# EAGLE board RedBoard-GiantPanel-v21 (EAGLE 6.5.0), part 2 of 4
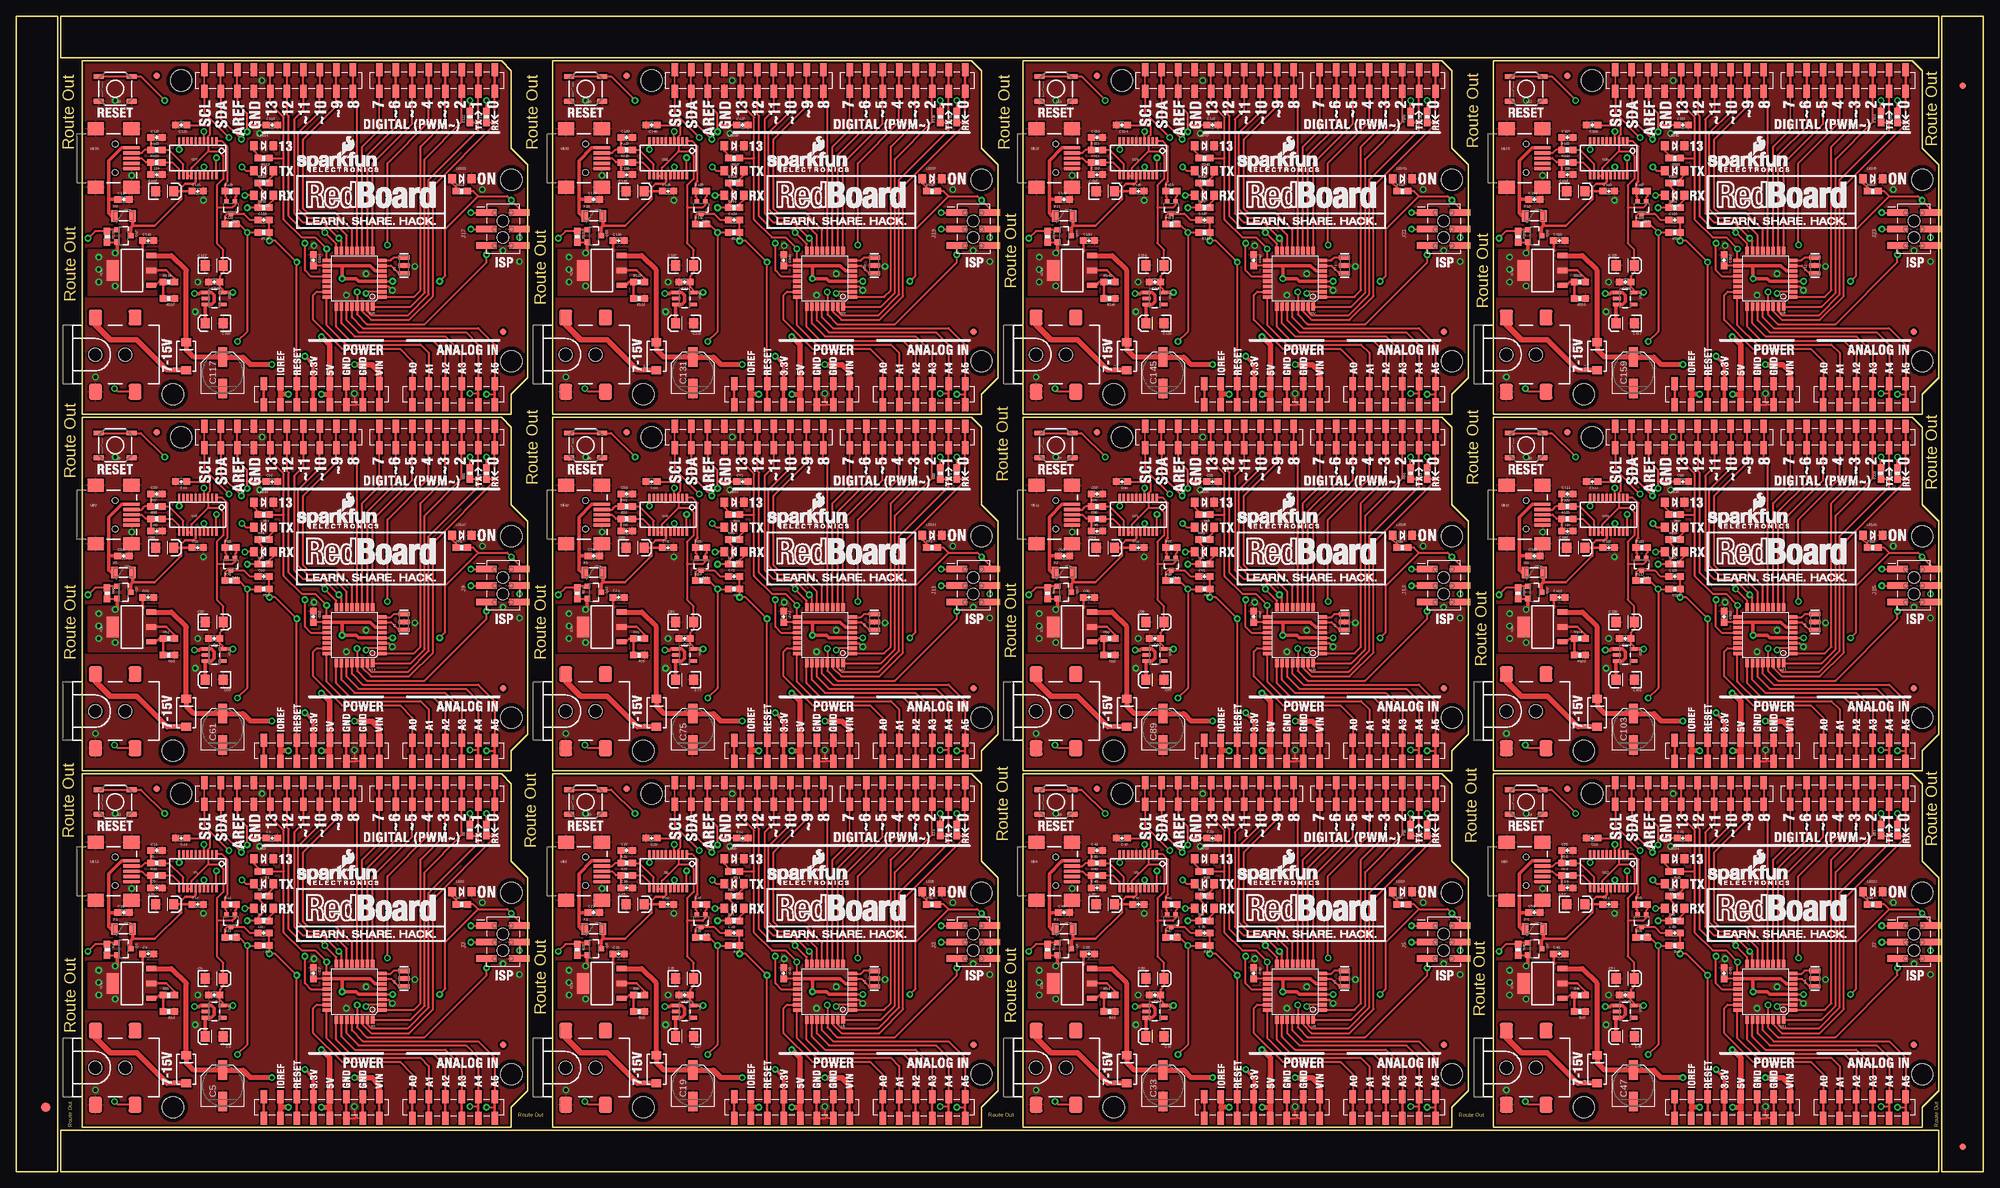
[diagram p0: board, top side]
## Nets
3.3V: C6.A C7.1 C14.1 JP10.5 Q2.1 R11.2 U1.3 U1.13 U1.14 U2.5
3.3V1: C20.1 C25.A C28.1 JP18.5 Q4.1 R27.2 U4.5 U6.3 U6.13 U6.14
3.3V2: C34.1 C39.A C42.1 JP28.5 Q6.1 R41.2 U7.5 U9.3 U9.13 U9.14
3.3V3: C48.1 C53.A C56.1 JP38.5 Q8.1 R55.2 U10.5 U12.3 U12.13 U12.14
3.3V4: C62.1 C67.A C70.1 JP48.5 Q10.1 R69.2 U13.5 U15.3 U15.13 U15.14
3.3V5: C76.1 C81.A C84.1 JP58.5 Q12.1 R83.2 U16.5 U18.3 U18.13 U18.14
3.3V6: C90.1 C95.A C98.1 JP68.5 Q14.1 R97.2 U19.5 U21.3 U21.13 U21.14
3.3V7: C104.1 C109.A C112.1 JP78.5 Q16.1 R111.2 U22.5 U24.3 U24.13 U24.14
3.3V8: C118.1 C123.A C126.1 JP88.5 Q18.1 R125.2 U25.5 U27.3 U27.13 U27.14
3.3V9: C132.1 C137.A C140.1 JP98.5 Q20.1 R139.2 U28.5 U30.3 U30.13 U30.14
3.3V10: C146.1 C151.A C154.1 JP108.5 Q22.1 R153.2 U31.5 U33.3 U33.13 U33.14
3.3V11: C160.1 C165.A C168.1 JP118.5 Q24.1 R167.2 U34.5 U36.3 U36.13 U36.14
5V: C2.2 C3.A C4.1 IC3.2 IC3.4 J2.2 JP10.4 JP10.7 Q1.2 R2.2 R3.2 R4.2 R6.1 R7.1 R12.2 R15.2 TP1.P$1 U2.1 U2.3 U3.4 U3.6 U3.18
5V1: C16.2 C17.A C18.1 IC1.2 IC1.4 J3.2 JP18.4 JP18.7 Q3.2 R16.2 R17.2 R18.2 R20.2 R21.1 R22.1 R28.2 TP7.P$1 U4.1 U4.3 U5.4 U5.6 U5.18
5V2: C30.2 C31.A C32.1 IC2.2 IC2.4 J5.2 JP28.4 JP28.7 Q5.2 R30.2 R31.2 R32.2 R34.2 R35.1 R36.1 R42.2 TP13.P$1 U7.1 U7.3 U8.4 U8.6 U8.18
5V3: C44.2 C45.A C46.1 IC4.2 IC4.4 J7.2 JP38.4 JP38.7 Q7.2 R44.2 R45.2 R46.2 R48.2 R49.1 R50.1 R56.2 TP19.P$1 U10.1 U10.3 U11.4 U11.6 U11.18
5V4: C58.2 C59.A C60.1 IC5.2 IC5.4 J9.2 JP48.4 JP48.7 Q9.2 R58.2 R59.2 R60.2 R62.2 R63.1 R64.1 R70.2 TP25.P$1 U13.1 U13.3 U14.4 U14.6 U14.18
5V5: C72.2 C73.A C74.1 IC6.2 IC6.4 J11.2 JP58.4 JP58.7 Q11.2 R72.2 R73.2 R74.2 R76.2 R77.1 R78.1 R84.2 TP31.P$1 U16.1 U16.3 U17.4 U17.6 U17.18
5V6: C86.2 C87.A C88.1 IC7.2 IC7.4 J13.2 JP68.4 JP68.7 Q13.2 R86.2 R87.2 R88.2 R90.2 R91.1 R92.1 R98.2 TP37.P$1 U19.1 U19.3 U20.4 U20.6 U20.18
5V7: C100.2 C101.A C102.1 IC8.2 IC8.4 J15.2 JP78.4 JP78.7 Q15.2 R100.2 R101.2 R102.2 R104.2 R105.1 R106.1 R112.2 TP43.P$1 U22.1 U22.3 U23.4 U23.6 U23.18
5V8: C114.2 C115.A C116.1 IC9.2 IC9.4 J17.2 JP88.4 JP88.7 Q17.2 R114.2 R115.2 R116.2 R118.2 R119.1 R120.1 R126.2 TP49.P$1 U25.1 U25.3 U26.4 U26.6 U26.18
5V9: C128.2 C129.A C130.1 IC10.2 IC10.4 J19.2 JP98.4 JP98.7 Q19.2 R128.2 R129.2 R130.2 R132.2 R133.1 R134.1 R140.2 TP55.P$1 U28.1 U28.3 U29.4 U29.6 U29.18
5V10: C142.2 C143.A C144.1 IC11.2 IC11.4 J21.2 JP108.4 JP108.7 Q21.2 R142.2 R143.2 R144.2 R146.2 R147.1 R148.1 R154.2 TP61.P$1 U31.1 U31.3 U32.4 U32.6 U32.18
5V11: C156.2 C157.A C158.1 IC12.2 IC12.4 J23.2 JP118.4 JP118.7 Q23.2 R156.2 R157.2 R158.2 R160.2 R161.1 R162.1 R168.2 TP67.P$1 U34.1 U34.3 U35.4 U35.6 U35.18
AD0: AD.1 U3.23
AD1: AD.2 U3.24
AD2: AD.3 U3.25
AD3: AD.4 U3.26
AD4: AD1.1 U5.23
AD4/SDA: AD.5 JP2.2A JP2.2B U3.27
AD4/SDA1: AD1.5 JP17.2A JP17.2B U5.27
AD4/SDA2: AD2.5 JP27.2A JP27.2B U8.27
AD4/SDA3: AD3.5 JP37.2A JP37.2B U11.27
AD4/SDA4: AD4.5 JP47.2A JP47.2B U14.27
AD4/SDA5: AD5.5 JP57.2A JP57.2B U17.27
AD4/SDA6: AD6.5 JP67.2A JP67.2B U20.27
AD4/SDA7: AD7.5 JP77.2A JP77.2B U23.27
AD4/SDA8: AD8.5 JP87.2A JP87.2B U26.27
AD4/SDA9: AD9.5 JP97.2A JP97.2B U29.27
AD4/SDA10: AD10.5 JP107.2A JP107.2B U32.27
AD4/SDA11: AD11.5 JP117.2A JP117.2B U35.27
AD5: AD1.2 U5.24
AD5/SCL: AD.6 JP2.1A JP2.1B U3.28
AD5/SCL1: AD1.6 JP17.1A JP17.1B U5.28
AD5/SCL2: AD2.6 JP27.1A JP27.1B U8.28
AD5/SCL3: AD3.6 JP37.1A JP37.1B U11.28
AD5/SCL4: AD4.6 JP47.1A JP47.1B U14.28
AD5/SCL5: AD5.6 JP57.1A JP57.1B U17.28
AD5/SCL6: AD6.6 JP67.1A JP67.1B U20.28
AD5/SCL7: AD7.6 JP77.1A JP77.1B U23.28
AD5/SCL8: AD8.6 JP87.1A JP87.1B U26.28
AD5/SCL9: AD9.6 JP97.1A JP97.1B U29.28
AD5/SCL10: AD10.6 JP107.1A JP107.1B U32.28
AD5/SCL11: AD11.6 JP117.1A JP117.1B U35.28
AD6: AD1.3 U5.25
AD7: AD1.4 U5.26
AD8: AD2.1 U8.23
AD9: AD2.2 U8.24
AD10: AD2.3 U8.25
AD11: AD2.4 U8.26
AD12: AD3.1 U11.23
AD13: AD3.2 U11.24
AD14: AD3.3 U11.25
AD15: AD3.4 U11.26
AD16: AD4.1 U14.23
AD17: AD4.2 U14.24
AD18: AD4.3 U14.25
AD19: AD4.4 U14.26
AD20: AD5.1 U17.23
AD21: AD5.2 U17.24
AD22: AD5.3 U17.25
AD23: AD5.4 U17.26
AD24: AD6.1 U20.23
AD25: AD6.2 U20.24
AD26: AD6.3 U20.25
AD27: AD6.4 U20.26
AD28: AD7.1 U23.23
AD29: AD7.2 U23.24
AD30: AD7.3 U23.25
AD31: AD7.4 U23.26
AD32: AD8.1 U26.23
AD33: AD8.2 U26.24
AD34: AD8.3 U26.25
AD35: AD8.4 U26.26
AD36: AD9.1 U29.23
AD37: AD9.2 U29.24
AD38: AD9.3 U29.25
AD39: AD9.4 U29.26
AD40: AD10.1 U32.23
AD41: AD10.2 U32.24
AD42: AD10.3 U32.25
AD43: AD10.4 U32.26
AD44: AD11.1 U35.23
AD45: AD11.2 U35.24
AD46: AD11.3 U35.25
AD47: AD11.4 U35.26
AREF: C1.1 JP2.3A JP2.3B U3.20
AREF1: C11.1 JP17.3A JP17.3B U5.20
AREF2: C29.1 JP27.3A JP27.3B U8.20
AREF3: C43.1 JP37.3A JP37.3B U11.20
AREF4: C57.1 JP47.3A JP47.3B U14.20
AREF5: C71.1 JP57.3A JP57.3B U17.20
AREF6: C85.1 JP67.3A JP67.3B U20.20
AREF7: C99.1 JP77.3A JP77.3B U23.20
AREF8: C113.1 JP87.3A JP87.3B U26.20
AREF9: C127.1 JP97.3A JP97.3B U29.20
AREF10: C141.1 JP107.3A JP107.3B U32.20
AREF11: C155.1 JP117.3A JP117.3B U35.20
D+: C9.1 R10.1 U$13.D+
D+1: C26.1 R26.1 U$2.D+
D+2: C40.1 R40.1 U$4.D+
D+3: C54.1 R54.1 U$6.D+
D+4: C68.1 R68.1 U$8.D+
D+5: C82.1 R82.1 U$10.D+
D+6: C96.1 R96.1 U$12.D+
D+7: C110.1 R110.1 U$15.D+
D+8: C124.1 R124.1 U$18.D+
D+9: C138.1 R138.1 U$20.D+
D+10: C152.1 R152.1 U$22.D+
D+11: C166.1 R166.1 U$24.D+
D-: C13.1 R5.1 U$13.D-
D-1: C27.1 R25.1 U$2.D-
D-2: C41.1 R39.1 U$4.D-
D-3: C55.1 R53.1 U$6.D-
D-4: C69.1 R67.1 U$8.D-
D-5: C83.1 R81.1 U$10.D-
D-6: C97.1 R95.1 U$12.D-
D-7: C111.1 R109.1 U$15.D-
D-8: C125.1 R123.1 U$18.D-
D-9: C139.1 R137.1 U$20.D-
D-10: C153.1 R151.1 U$22.D-
D-11: C167.1 R165.1 U$24.D-
DTR: C8.1 Q2.3 R12.1
DTR1: C21.1 Q4.3 R28.1
DTR2: C35.1 Q6.3 R42.1
DTR3: C49.1 Q8.3 R56.1
DTR4: C63.1 Q10.3 R70.1
DTR5: C77.1 Q12.3 R84.1
DTR6: C91.1 Q14.3 R98.1
DTR7: C105.1 Q16.3 R112.1
DTR8: C119.1 Q18.3 R126.1
DTR9: C133.1 Q20.3 R140.1
DTR10: C147.1 Q22.3 R154.1
DTR11: C161.1 Q24.3 R168.1
GND: C1.2 C2.1 C3.C C4.2 C5.- C6.C C7.2 C9.2 C10.2 C12.2 C13.2 C14.2 C15.C J1.GND J2.6 JP2.4A JP2.4B JP10.2 JP10.3 LED1.C LED2.C R14.1 S1.1 S1.2 TP3.P$1 U1.6 U1.16 U2.2 U3.3 U3.5 U3.21 U$13.GND U$13.MTN1 U$13.MTN2 U$13.MTN3 U$13.MTN4 Y1.2
GND1: C11.2 C16.1 C17.C C18.2 C19.- C20.2 C22.2 C23.2 C24.C C25.C C26.2 C27.2 C28.2 J3.6 J4.GND JP17.4A JP17.4B JP18.2 JP18.3 LED5.C LED6.C R19.1 S2.1 S2.2 TP9.P$1 U4.2 U5.3 U5.5 U5.21 U6.6 U6.16 U$2.GND U$2.MTN1 U$2.MTN2 U$2.MTN3 U$2.MTN4 Y2.2
GND2: C29.2 C30.1 C31.C C32.2 C33.- C34.2 C36.2 C37.2 C38.C C39.C C40.2 C41.2 C42.2 J5.6 J6.GND JP27.4A JP27.4B JP28.2 JP28.3 LED9.C LED10.C R33.1 S3.1 S3.2 TP15.P$1 U7.2 U8.3 U8.5 U8.21 U9.6 U9.16 U$4.GND U$4.MTN1 U$4.MTN2 U$4.MTN3 U$4.MTN4 Y3.2
GND3: C43.2 C44.1 C45.C C46.2 C47.- C48.2 C50.2 C51.2 C52.C C53.C C54.2 C55.2 C56.2 J7.6 J8.GND JP37.4A JP37.4B JP38.2 JP38.3 LED13.C LED14.C R47.1 S4.1 S4.2 TP21.P$1 U10.2 U11.3 U11.5 U11.21 U12.6 U12.16 U$6.GND U$6.MTN1 U$6.MTN2 U$6.MTN3 U$6.MTN4 Y4.2
GND4: C57.2 C58.1 C59.C C60.2 C61.- C62.2 C64.2 C65.2 C66.C C67.C C68.2 C69.2 C70.2 J9.6 J10.GND JP47.4A JP47.4B JP48.2 JP48.3 LED17.C LED18.C R61.1 S5.1 S5.2 TP27.P$1 U13.2 U14.3 U14.5 U14.21 U15.6 U15.16 U$8.GND U$8.MTN1 U$8.MTN2 U$8.MTN3 U$8.MTN4 Y5.2
GND5: C71.2 C72.1 C73.C C74.2 C75.- C76.2 C78.2 C79.2 C80.C C81.C C82.2 C83.2 C84.2 J11.6 J12.GND JP57.4A JP57.4B JP58.2 JP58.3 LED21.C LED22.C R75.1 S6.1 S6.2 TP33.P$1 U16.2 U17.3 U17.5 U17.21 U18.6 U18.16 U$10.GND U$10.MTN1 U$10.MTN2 U$10.MTN3 U$10.MTN4 Y6.2
GND6: C85.2 C86.1 C87.C C88.2 C89.- C90.2 C92.2 C93.2 C94.C C95.C C96.2 C97.2 C98.2 J13.6 J14.GND JP67.4A JP67.4B JP68.2 JP68.3 LED25.C LED26.C R89.1 S7.1 S7.2 TP39.P$1 U19.2 U20.3 U20.5 U20.21 U21.6 U21.16 U$12.GND U$12.MTN1 U$12.MTN2 U$12.MTN3 U$12.MTN4 Y7.2
GND7: C99.2 C100.1 C101.C C102.2 C103.- C104.2 C106.2 C107.2 C108.C C109.C C110.2 C111.2 C112.2 J15.6 J16.GND JP77.4A JP77.4B JP78.2 JP78.3 LED29.C LED30.C R103.1 S8.1 S8.2 TP45.P$1 U22.2 U23.3 U23.5 U23.21 U24.6 U24.16 U$15.GND U$15.MTN1 U$15.MTN2 U$15.MTN3 U$15.MTN4 Y8.2
GND8: C113.2 C114.1 C115.C C116.2 C117.- C118.2 C120.2 C121.2 C122.C C123.C C124.2 C125.2 C126.2 J17.6 J18.GND JP87.4A JP87.4B JP88.2 JP88.3 LED33.C LED34.C R117.1 S9.1 S9.2 TP51.P$1 U25.2 U26.3 U26.5 U26.21 U27.6 U27.16 U$18.GND U$18.MTN1 U$18.MTN2 U$18.MTN3 U$18.MTN4 Y9.2
GND9: C127.2 C128.1 C129.C C130.2 C131.- C132.2 C134.2 C135.2 C136.C C137.C C138.2 C139.2 C140.2 J19.6 J20.GND JP97.4A JP97.4B JP98.2 JP98.3 LED37.C LED38.C R131.1 S10.1 S10.2 TP57.P$1 U28.2 U29.3 U29.5 U29.21 U30.6 U30.16 U$20.GND U$20.MTN1 U$20.MTN2 U$20.MTN3 U$20.MTN4 Y10.2
GND10: C141.2 C142.1 C143.C C144.2 C145.- C146.2 C148.2 C149.2 C150.C C151.C C152.2 C153.2 C154.2 J21.6 J22.GND JP107.4A JP107.4B JP108.2 JP108.3 LED41.C LED42.C R145.1 S11.1 S11.2 TP63.P$1 U31.2 U32.3 U32.5 U32.21 U33.6 U33.16 U$22.GND U$22.MTN1 U$22.MTN2 U$22.MTN3 U$22.MTN4 Y11.2
GND11: C155.2 C156.1 C157.C C158.2 C159.- C160.2 C162.2 C163.2 C164.C C165.C C166.2 C167.2 C168.2 J23.6 J24.GND JP117.4A JP117.4B JP118.2 JP118.3 LED45.C LED46.C R159.1 S12.1 S12.2 TP69.P$1 U34.2 U35.3 U35.5 U35.21 U36.6 U36.16 U$24.GND U$24.MTN1 U$24.MTN2 U$24.MTN3 U$24.MTN4 Y12.2
INSERT: J1.P$4 Q1.1 R4.1
INSERT1: J4.P$4 Q3.1 R18.1
INSERT2: J6.P$4 Q5.1 R32.1
INSERT3: J8.P$4 Q7.1 R46.1
INSERT4: J10.P$4 Q9.1 R60.1
INSERT5: J12.P$4 Q11.1 R74.1
INSERT6: J14.P$4 Q13.1 R88.1
INSERT7: J16.P$4 Q15.1 R102.1
INSERT8: J18.P$4 Q17.1 R116.1
INSERT9: J20.P$4 Q19.1 R130.1
INSERT10: J22.P$4 Q21.1 R144.1
INSERT11: J24.P$4 Q23.1 R158.1
IO1: IOL1.3 U5.32
IO2: IOL.3 U3.32
IO3: IOL.4 U3.1
IO4: IOL.5 U3.2
IO5: IOL.6 U3.9
IO6: IOL.7 U3.10
IO7: IOL.8 U3.11
IO8: JP2.10A JP2.10B U3.12
IO9: JP2.9A JP2.9B U3.13
IO10: IOL1.4 U5.1
IO11: IOL1.5 U5.2
IO12: IOL1.6 U5.9
IO13: IOL1.7 U5.10
IO14: IOL1.8 U5.11
IO15: JP17.10A JP17.10B U5.12
IO16: JP17.9A JP17.9B U5.13
IO17: IOL2.3 U8.32
IO18: IOL2.4 U8.1
IO19: IOL2.5 U8.2
IO20: IOL2.6 U8.9
IO21: IOL2.7 U8.10
IO22: IOL2.8 U8.11
IO23: JP27.10A JP27.10B U8.12
IO24: JP27.9A JP27.9B U8.13
IO25: IOL3.3 U11.32
IO26: IOL3.4 U11.1
IO27: IOL3.5 U11.2
IO28: IOL3.6 U11.9
IO29: IOL3.7 U11.10
IO30: IOL3.8 U11.11
IO31: JP37.10A JP37.10B U11.12
IO32: JP37.9A JP37.9B U11.13
IO33: IOL4.3 U14.32
IO34: IOL4.4 U14.1
IO35: IOL4.5 U14.2
IO36: IOL4.6 U14.9
IO37: IOL4.7 U14.10
IO38: IOL4.8 U14.11
IO39: JP47.10A JP47.10B U14.12
IO40: JP47.9A JP47.9B U14.13
IO41: IOL5.3 U17.32
IO42: IOL5.4 U17.1
IO43: IOL5.5 U17.2
IO44: IOL5.6 U17.9
IO45: IOL5.7 U17.10
IO46: IOL5.8 U17.11
IO47: JP57.10A JP57.10B U17.12
IO48: JP57.9A JP57.9B U17.13
IO49: IOL6.3 U20.32
IO50: IOL6.4 U20.1
IO51: IOL6.5 U20.2
IO52: IOL6.6 U20.9
IO53: IOL6.7 U20.10
IO54: IOL6.8 U20.11
IO55: JP67.10A JP67.10B U20.12
IO56: JP67.9A JP67.9B U20.13
IO57: IOL7.3 U23.32
IO58: IOL7.4 U23.1
IO59: IOL7.5 U23.2
IO60: IOL7.6 U23.9
IO61: IOL7.7 U23.10
IO62: IOL7.8 U23.11
IO63: JP77.10A JP77.10B U23.12
IO64: JP77.9A JP77.9B U23.13
IO65: IOL8.3 U26.32
IO66: IOL8.4 U26.1
IO67: IOL8.5 U26.2
IO68: IOL8.6 U26.9
IO69: IOL8.7 U26.10
IO70: IOL8.8 U26.11
IO71: JP87.10A JP87.10B U26.12
IO72: JP87.9A JP87.9B U26.13
IO73: IOL9.3 U29.32
IO74: IOL9.4 U29.1
IO75: IOL9.5 U29.2
IO76: IOL9.6 U29.9
IO77: IOL9.7 U29.10
IO78: IOL9.8 U29.11
IO79: JP97.10A JP97.10B U29.12
IO80: JP97.9A JP97.9B U29.13
IO81: IOL10.3 U32.32
IO82: IOL10.4 U32.1
IO83: IOL10.5 U32.2
IO84: IOL10.6 U32.9
IO85: IOL10.7 U32.10
IO86: IOL10.8 U32.11
IO87: JP107.10A JP107.10B U32.12
IO88: JP107.9A JP107.9B U32.13
IO89: IOL11.3 U35.32
IO90: IOL11.4 U35.1
IO91: IOL11.5 U35.2
IO92: IOL11.6 U35.9
IO93: IOL11.7 U35.10
IO94: IOL11.8 U35.11
IO95: JP117.10A JP117.10B U35.12
IO96: JP117.9A JP117.9B U35.13
MISO: J2.1 JP2.6A JP2.6B TP4.P$1 U3.16
MISO1: J3.1 JP17.6A JP17.6B TP10.P$1 U5.16
MISO2: J5.1 JP27.6A JP27.6B TP16.P$1 U8.16
MISO3: J7.1 JP37.6A JP37.6B TP22.P$1 U11.16
MISO4: J9.1 JP47.6A JP47.6B TP28.P$1 U14.16
MISO5: J11.1 JP57.6A JP57.6B TP34.P$1 U17.16
MISO6: J13.1 JP67.6A JP67.6B TP40.P$1 U20.16
MISO7: J15.1 JP77.6A JP77.6B TP46.P$1 U23.16
MISO8: J17.1 JP87.6A JP87.6B TP52.P$1 U26.16
MISO9: J19.1 JP97.6A JP97.6B TP58.P$1 U29.16
MISO10: J21.1 JP107.6A JP107.6B TP64.P$1 U32.16
MISO11: J23.1 JP117.6A JP117.6B TP70.P$1 U35.16
MOSI: J2.4 JP2.7A JP2.7B TP2.P$1 U3.15
MOSI1: J3.4 JP17.7A JP17.7B TP8.P$1 U5.15
MOSI2: J5.4 JP27.7A JP27.7B TP14.P$1 U8.15
MOSI3: J7.4 JP37.7A JP37.7B TP20.P$1 U11.15
MOSI4: J9.4 JP47.7A JP47.7B TP26.P$1 U14.15
MOSI5: J11.4 JP57.7A JP57.7B TP32.P$1 U17.15
MOSI6: J13.4 JP67.7A JP67.7B TP38.P$1 U20.15
MOSI7: J15.4 JP77.7A JP77.7B TP44.P$1 U23.15
MOSI8: J17.4 JP87.7A JP87.7B TP50.P$1 U26.15
MOSI9: J19.4 JP97.7A JP97.7B TP56.P$1 U29.15
MOSI10: J21.4 JP107.7A JP107.7B TP62.P$1 U32.15
MOSI11: J23.4 JP117.7A JP117.7B TP68.P$1 U35.15
N$1: LED1.A R1.2
N$2: LED2.A R2.1
N$3: U3.7 Y1.1
N$4: U3.8 Y1.3
N$5: LED5.A R16.1
N$6: R5.2 U1.12
N$7: R10.2 U1.11
N$8: LED3.A R6.2
N$9: LED6.A R13.2
N$10: LED4.A R7.2
N$11: IC1.1 R19.2 R20.1
N$12: Q2.2 R11.1 U1.1
N$13: U5.7 Y2.1
N$14: U5.8 Y2.3
N$15: IC3.1 R14.2 R15.1
N$16: LED8.A R21.2
N$17: LED7.A R22.2
N$18: R25.2 U6.12
N$19: R26.2 U6.11
N$20: Q4.2 R27.1 U6.1
N$21: LED9.A R30.1
N$22: LED10.A R29.2
N$23: IC2.1 R33.2 R34.1
N$24: U8.7 Y3.1
N$25: U8.8 Y3.3
N$26: LED12.A R35.2
N$27: LED11.A R36.2
N$28: R39.2 U9.12
N$29: R40.2 U9.11
N$30: Q6.2 R41.1 U9.1
N$31: LED13.A R44.1
N$32: LED14.A R43.2
N$33: IC4.1 R47.2 R48.1
N$34: U11.7 Y4.1
N$35: U11.8 Y4.3
N$36: LED16.A R49.2
N$37: LED15.A R50.2
N$38: R53.2 U12.12
N$39: R54.2 U12.11
N$40: Q8.2 R55.1 U12.1
N$41: LED17.A R58.1
N$42: LED18.A R57.2
N$43: IC5.1 R61.2 R62.1
N$44: U14.7 Y5.1
N$45: U14.8 Y5.3
N$46: LED20.A R63.2
N$47: LED19.A R64.2
N$48: R67.2 U15.12
N$49: R68.2 U15.11
N$50: Q10.2 R69.1 U15.1
N$51: LED21.A R72.1
N$52: LED22.A R71.2
N$53: IC6.1 R75.2 R76.1
N$54: U17.7 Y6.1
N$55: U17.8 Y6.3
N$56: LED24.A R77.2
N$57: LED23.A R78.2
N$58: R81.2 U18.12
N$59: R82.2 U18.11
N$60: Q12.2 R83.1 U18.1
N$61: LED25.A R86.1
N$62: LED26.A R85.2
N$63: IC7.1 R89.2 R90.1
N$64: U20.7 Y7.1
N$65: U20.8 Y7.3
N$66: LED28.A R91.2
N$67: LED27.A R92.2
N$68: R95.2 U21.12
N$69: R96.2 U21.11
N$70: Q14.2 R97.1 U21.1
N$71: LED29.A R100.1
N$72: LED30.A R99.2
N$73: IC8.1 R103.2 R104.1
N$74: U23.7 Y8.1
N$75: U23.8 Y8.3
N$76: LED32.A R105.2
N$77: LED31.A R106.2
N$78: R109.2 U24.12
N$79: R110.2 U24.11
N$80: Q16.2 R111.1 U24.1
N$81: LED33.A R114.1
N$82: LED34.A R113.2
N$83: IC9.1 R117.2 R118.1
N$84: U26.7 Y9.1
N$85: U26.8 Y9.3
N$86: LED36.A R119.2
N$87: LED35.A R120.2
N$88: R123.2 U27.12
N$89: R124.2 U27.11
N$90: Q18.2 R125.1 U27.1
N$91: LED37.A R128.1
N$92: LED38.A R127.2
N$93: IC10.1 R131.2 R132.1
N$94: U29.7 Y10.1
N$95: U29.8 Y10.3
N$96: LED40.A R133.2
N$97: LED39.A R134.2
N$98: R137.2 U30.12
N$99: R138.2 U30.11
N$100: Q20.2 R139.1 U30.1
N$101: LED41.A R142.1
N$102: LED42.A R141.2
N$103: IC11.1 R145.2 R146.1
N$104: U32.7 Y11.1
N$105: U32.8 Y11.3
N$106: LED44.A R147.2
N$107: LED43.A R148.2
N$108: R151.2 U33.12
N$109: R152.2 U33.11
N$110: Q22.2 R153.1 U33.1
N$111: LED45.A R156.1
N$112: LED46.A R155.2
N$113: IC12.1 R159.2 R160.1
N$114: U35.7 Y12.1
N$115: U35.8 Y12.3
N$116: LED48.A R161.2
N$117: LED47.A R162.2
N$118: R165.2 U36.12
N$119: R166.2 U36.11
N$120: Q24.2 R167.1 U36.1
PWRIN: D1.A J1.VIN0
PWRIN1: D2.A J4.VIN0
PWRIN2: D3.A J6.VIN0
PWRIN3: D4.A J8.VIN0
PWRIN4: D5.A J10.VIN0
PWRIN5: D6.A J12.VIN0
PWRIN6: D7.A J14.VIN0
PWRIN7: D8.A J16.VIN0
PWRIN8: D9.A J18.VIN0
PWRIN9: D10.A J20.VIN0
PWRIN10: D11.A J22.VIN0
PWRIN11: D12.A J24.VIN0
RESET: C8.2 J2.5 JP10.6 R3.1 S1.3 S1.4 TP6.P$1 U3.29
RESET1: C21.2 J3.5 JP18.6 R17.1 S2.3 S2.4 TP12.P$1 U5.29
RESET2: C35.2 J5.5 JP28.6 R31.1 S3.3 S3.4 TP18.P$1 U8.29
RESET3: C49.2 J7.5 JP38.6 R45.1 S4.3 S4.4 TP24.P$1 U11.29
RESET4: C63.2 J9.5 JP48.6 R59.1 S5.3 S5.4 TP30.P$1 U14.29
RESET5: C77.2 J11.5 JP58.6 R73.1 S6.3 S6.4 TP36.P$1 U17.29
RESET6: C91.2 J13.5 JP68.6 R87.1 S7.3 S7.4 TP42.P$1 U20.29
RESET7: C105.2 J15.5 JP78.6 R101.1 S8.3 S8.4 TP48.P$1 U23.29
RESET8: C119.2 J17.5 JP88.6 R115.1 S9.3 S9.4 TP54.P$1 U26.29
RESET9: C133.2 J19.5 JP98.6 R129.1 S10.3 S10.4 TP60.P$1 U29.29
RESET10: C147.2 J21.5 JP108.6 R143.1 S11.3 S11.4 TP66.P$1 U32.29
RESET11: C161.2 J23.5 JP118.6 R157.1 S12.3 S12.4 TP72.P$1 U35.29
RX-I: IOL.1 R8.1 U3.30
RX-I1: IOL1.1 R23.1 U5.30
RX-I2: IOL2.1 R37.1 U8.30
RX-I3: IOL3.1 R51.1 U11.30
RX-I4: IOL4.1 R65.1 U14.30
RX-I5: IOL5.1 R79.1 U17.30
RX-I6: IOL6.1 R93.1 U20.30
RX-I7: IOL7.1 R107.1 U23.30
RX-I8: IOL8.1 R121.1 U26.30
RX-I9: IOL9.1 R135.1 U29.30
RX-I10: IOL10.1 R149.1 U32.30
RX-I11: IOL11.1 R163.1 U35.30
RXD: R9.2 U1.4
RXD1: R24.2 U6.4
RXD2: R38.2 U9.4
RXD3: R52.2 U12.4
RXD4: R66.2 U15.4
RXD5: R80.2 U18.4
RXD6: R94.2 U21.4
RXD7: R108.2 U24.4
RXD8: R122.2 U27.4
RXD9: R136.2 U30.4
RXD10: R150.2 U33.4
RXD11: R164.2 U36.4
RXLED: LED4.C U1.17
RXLED1: LED7.C U6.17
RXLED2: LED11.C U9.17
RXLED3: LED15.C U12.17
RXLED4: LED19.C U15.17
RXLED5: LED23.C U18.17
RXLED6: LED27.C U21.17
RXLED7: LED31.C U24.17
RXLED8: LED35.C U27.17
RXLED9: LED39.C U30.17
RXLED10: LED43.C U33.17
RXLED11: LED47.C U36.17
SCK: J2.3 JP2.5A JP2.5B R1.1 TP5.P$1 U3.17
SCK1: J3.3 JP17.5A JP17.5B R13.1 TP11.P$1 U5.17
SCK2: J5.3 JP27.5A JP27.5B R29.1 TP17.P$1 U8.17
SCK3: J7.3 JP37.5A JP37.5B R43.1 TP23.P$1 U11.17
SCK4: J9.3 JP47.5A JP47.5B R57.1 TP29.P$1 U14.17
SCK5: J11.3 JP57.5A JP57.5B R71.1 TP35.P$1 U17.17
SCK6: J13.3 JP67.5A JP67.5B R85.1 TP41.P$1 U20.17
SCK7: J15.3 JP77.5A JP77.5B R99.1 TP47.P$1 U23.17
SCK8: J17.3 JP87.5A JP87.5B R113.1 TP53.P$1 U26.17
SCK9: J19.3 JP97.5A JP97.5B R127.1 TP59.P$1 U29.17
SCK10: J21.3 JP107.5A JP107.5B R141.1 TP65.P$1 U32.17
SCK11: J23.3 JP117.5A JP117.5B R155.1 TP71.P$1 U35.17
SS: JP2.8A JP2.8B U3.14
SS1: JP17.8A JP17.8B U5.14
SS2: JP27.8A JP27.8B U8.14
SS3: JP37.8A JP37.8B U11.14
SS4: JP47.8A JP47.8B U14.14
SS5: JP57.8A JP57.8B U17.14
SS6: JP67.8A JP67.8B U20.14
SS7: JP77.8A JP77.8B U23.14
SS8: JP87.8A JP87.8B U26.14
SS9: JP97.8A JP97.8B U29.14
SS10: JP107.8A JP107.8B U32.14
SS11: JP117.8A JP117.8B U35.14
TX-O: IOL.2 R9.1 U3.31
TX-O1: IOL1.2 R24.1 U5.31
TX-O2: IOL2.2 R38.1 U8.31
TX-O3: IOL3.2 R52.1 U11.31
TX-O4: IOL4.2 R66.1 U14.31
TX-O5: IOL5.2 R80.1 U17.31
TX-O6: IOL6.2 R94.1 U20.31
TX-O7: IOL7.2 R108.1 U23.31
TX-O8: IOL8.2 R122.1 U26.31
TX-O9: IOL9.2 R136.1 U29.31
TX-O10: IOL10.2 R150.1 U32.31
TX-O11: IOL11.2 R164.1 U35.31
TXD: R8.2 U1.20
TXD1: R23.2 U6.20
TXD2: R37.2 U9.20
TXD3: R51.2 U12.20
TXD4: R65.2 U15.20
TXD5: R79.2 U18.20
TXD6: R93.2 U21.20
TXD7: R107.2 U24.20
TXD8: R121.2 U27.20
TXD9: R135.2 U30.20
TXD10: R149.2 U33.20
TXD11: R163.2 U36.20
TXLED: LED3.C U1.10
TXLED1: LED8.C U6.10
TXLED2: LED12.C U9.10
TXLED3: LED16.C U12.10
TXLED4: LED20.C U15.10
TXLED5: LED24.C U18.10
TXLED6: LED28.C U21.10
TXLED7: LED32.C U24.10
TXLED8: LED36.C U27.10
TXLED9: LED40.C U30.10
TXLED10: LED44.C U33.10
TXLED11: LED48.C U36.10
USBVCC: C12.1 C15.A F1.2 Q1.3 U1.15
USBVCC1: C23.1 C24.A F2.2 Q3.3 U6.15
USBVCC2: C37.1 C38.A F3.2 Q5.3 U9.15
USBVCC3: C51.1 C52.A F4.2 Q7.3 U12.15
USBVCC4: C65.1 C66.A F5.2 Q9.3 U15.15
USBVCC5: C79.1 C80.A F6.2 Q11.3 U18.15
USBVCC6: C93.1 C94.A F7.2 Q13.3 U21.15
USBVCC7: C107.1 C108.A F8.2 Q15.3 U24.15
USBVCC8: C121.1 C122.A F9.2 Q17.3 U27.15
USBVCC9: C135.1 C136.A F10.2 Q19.3 U30.15
USBVCC10: C149.1 C150.A F11.2 Q21.3 U33.15
USBVCC11: C163.1 C164.A F12.2 Q23.3 U36.15
VIN: C5.+ D1.C IC3.3 JP10.1
VIN1: C19.+ D2.C IC1.3 JP18.1
VIN2: C33.+ D3.C IC2.3 JP28.1
VIN3: C47.+ D4.C IC4.3 JP38.1
VIN4: C61.+ D5.C IC5.3 JP48.1
VIN5: C75.+ D6.C IC6.3 JP58.1
VIN6: C89.+ D7.C IC7.3 JP68.1
VIN7: C103.+ D8.C IC8.3 JP78.1
VIN8: C117.+ D9.C IC9.3 JP88.1
VIN9: C131.+ D10.C IC10.3 JP98.1
VIN10: C145.+ D11.C IC11.3 JP108.1
VIN11: C159.+ D12.C IC12.3 JP118.1
VUSB: C10.1 F1.1 U$13.VBUS
VUSB1: C22.1 F2.1 U$2.VBUS
VUSB2: C36.1 F3.1 U$4.VBUS
VUSB3: C50.1 F4.1 U$6.VBUS
VUSB4: C64.1 F5.1 U$8.VBUS
VUSB5: C78.1 F6.1 U$10.VBUS
VUSB6: C92.1 F7.1 U$12.VBUS
VUSB7: C106.1 F8.1 U$15.VBUS
VUSB8: C120.1 F9.1 U$18.VBUS
VUSB9: C134.1 F10.1 U$20.VBUS
VUSB10: C148.1 F11.1 U$22.VBUS
VUSB11: C162.1 F12.1 U$24.VBUS

## Tracks (layer width: path | path; a pad name or v marks a point on that pad's centre or on a via)
3.3V  (via drill 0.51)
  Top 0.305: U2.5 31.78,26 31.33,26.45 C7.1 31.33,28.03 31.88,28.58 C6.A 31.88,32.13 30.86,33.15 30.86,38.61 | R11.2 33.87,40.35 33.67,40.15 Q2.1 33.67,39 33.27,38.61 30.86,38.61 | 29.53,47.31 U1.3 29.53,49.59 29.84,49.91 29.84,51.05 29.59,51.31 C14.1 | U1.13 U1.14 26.99,44.77 29.53,47.31 | 29.53,47.31 31.18,47.31 31.88,46.61 31.88,43.06 30.86,42.04 30.86,38.61
  Top 0.508: JP10.5 45.72,14.48 v44.45,15.75 | U2.5 v33.34,25.59
  Bottom 0.508: v44.45,15.75 35.69,24.51 35.68,24.51 34.6,25.59 v33.34,25.59
3.3V1  (via drill 0.51)
  Top 0.305: U4.5 104.17,26 103.72,26.45 C20.1 103.72,28.03 104.27,28.58 C25.A 104.27,32.13 103.25,33.15 103.25,38.61 | R27.2 106.26,40.35 106.06,40.15 Q4.1 106.06,39 105.66,38.61 103.25,38.61 | 101.92,47.31 U6.3 101.92,49.59 102.23,49.91 102.23,51.05 101.98,51.31 C28.1 | U6.13 U6.14 99.38,44.77 101.92,47.31 | 101.92,47.31 103.57,47.31 104.27,46.61 104.27,43.06 103.25,42.04 103.25,38.61
  Top 0.508: JP18.5 118.11,14.48 v116.84,15.75 | U4.5 v105.72,25.59
  Bottom 0.508: v116.84,15.75 108.08,24.51 108.07,24.51 107,25.59 v105.72,25.59
3.3V2  (via drill 0.51)
  Top 0.305: U7.5 176.56,26 176.11,26.45 C34.1 176.11,28.03 176.66,28.58 C39.A 176.66,32.13 175.64,33.15 175.64,38.61 | R41.2 178.65,40.35 178.45,40.15 Q6.1 178.45,39 178.05,38.61 175.64,38.61 | 174.31,47.31 U9.3 174.31,49.59 174.62,49.91 174.62,51.05 174.37,51.31 C42.1 | U9.13 U9.14 171.77,44.77 174.31,47.31 | 174.31,47.31 175.96,47.31 176.66,46.61 176.66,43.06 175.64,42.04 175.64,38.61
  Top 0.508: JP28.5 190.5,14.48 v189.23,15.75 | U7.5 v178.12,25.59
  Bottom 0.508: v189.23,15.75 180.47,24.51 180.46,24.51 179.38,25.59 v178.12,25.59
3.3V3  (via drill 0.51)
  Top 0.305: U10.5 248.95,26 248.5,26.45 C48.1 248.5,28.03 249.05,28.58 C53.A 249.05,32.13 248.03,33.15 248.03,38.61 | R55.2 251.04,40.35 250.84,40.15 Q8.1 250.84,39 250.44,38.61 248.03,38.61 | 246.7,47.31 U12.3 246.7,49.59 247.01,49.91 247.01,51.05 246.76,51.31 C56.1 | U12.13 U12.14 244.16,44.77 246.7,47.31 | 246.7,47.31 248.35,47.31 249.05,46.61 249.05,43.06 248.03,42.04 248.03,38.61
  Top 0.508: JP38.5 262.89,14.48 v261.62,15.75 | U10.5 v250.5,25.59
  Bottom 0.508: v261.62,15.75 252.86,24.51 252.85,24.51 251.78,25.59 v250.5,25.59
3.3V4  (via drill 0.51)
  Top 0.305: U13.5 31.78,80.87 31.33,81.32 C62.1 31.33,82.89 31.88,83.44 C67.A 31.88,86.99 30.86,88.01 30.86,93.47 | R69.2 33.87,95.21 33.67,95.01 Q10.1 33.67,93.87 33.27,93.47 30.86,93.47 | 29.53,102.17 U15.3 29.53,104.46 29.84,104.78 29.84,105.92 29.59,106.17 C70.1 | U15.13 U15.14 26.99,99.63 29.53,102.17 | 29.53,102.17 31.18,102.17 31.88,101.47 31.88,97.92 30.86,96.9 30.86,93.47
  Top 0.508: JP48.5 45.72,69.34 v44.45,70.61 | U13.5 v33.34,80.45
  Bottom 0.508: v44.45,70.61 35.69,79.38 35.68,79.38 34.6,80.45 v33.34,80.45
3.3V5  (via drill 0.51)
  Top 0.305: U16.5 104.17,80.87 103.72,81.32 C76.1 103.72,82.89 104.27,83.44 C81.A 104.27,86.99 103.25,88.01 103.25,93.47 | R83.2 106.26,95.21 106.06,95.01 Q12.1 106.06,93.87 105.66,93.47 103.25,93.47 | 101.92,102.17 U18.3 101.92,104.46 102.23,104.78 102.23,105.92 101.98,106.17 C84.1 | U18.13 U18.14 99.38,99.63 101.92,102.17 | 101.92,102.17 103.57,102.17 104.27,101.47 104.27,97.92 103.25,96.9 103.25,93.47
  Top 0.508: JP58.5 118.11,69.34 v116.84,70.61 | U16.5 v105.72,80.45
  Bottom 0.508: v116.84,70.61 108.08,79.38 108.07,79.38 107,80.45 v105.72,80.45
3.3V6  (via drill 0.51)
  Top 0.305: U19.5 176.56,80.87 176.11,81.32 C90.1 176.11,82.89 176.66,83.44 C95.A 176.66,86.99 175.64,88.01 175.64,93.47 | R97.2 178.65,95.21 178.45,95.01 Q14.1 178.45,93.87 178.05,93.47 175.64,93.47 | 174.31,102.17 U21.3 174.31,104.46 174.62,104.78 174.62,105.92 174.37,106.17 C98.1 | U21.13 U21.14 171.77,99.63 174.31,102.17 | 174.31,102.17 175.96,102.17 176.66,101.47 176.66,97.92 175.64,96.9 175.64,93.47
  Top 0.508: JP68.5 190.5,69.34 v189.23,70.61 | U19.5 v178.12,80.45
  Bottom 0.508: v189.23,70.61 180.47,79.38 180.46,79.38 179.38,80.45 v178.12,80.45
3.3V7  (via drill 0.51)
  Top 0.305: U22.5 248.95,80.87 248.5,81.32 C104.1 248.5,82.89 249.05,83.44 C109.A 249.05,86.99 248.03,88.01 248.03,93.47 | R111.2 251.04,95.21 250.84,95.01 Q16.1 250.84,93.87 250.44,93.47 248.03,93.47 | 246.7,102.17 U24.3 246.7,104.46 247.01,104.78 247.01,105.92 246.76,106.17 C112.1 | U24.13 U24.14 244.16,99.63 246.7,102.17 | 246.7,102.17 248.35,102.17 249.05,101.47 249.05,97.92 248.03,96.9 248.03,93.47
  Top 0.508: JP78.5 262.89,69.34 v261.62,70.61 | U22.5 v250.5,80.45
  Bottom 0.508: v261.62,70.61 252.86,79.38 252.85,79.38 251.78,80.45 v250.5,80.45
3.3V8  (via drill 0.51)
  Top 0.305: U25.5 31.78,135.73 31.33,136.18 C118.1 31.33,137.76 31.88,138.31 C123.A 31.88,141.86 30.86,142.88 30.86,148.34 | R125.2 33.87,150.07 33.67,149.88 Q18.1 33.67,148.73 33.27,148.34 30.86,148.34 | 29.53,157.04 U27.3 29.53,159.32 29.84,159.64 29.84,160.78 29.59,161.04 C126.1 | U27.13 U27.14 26.99,154.5 29.53,157.04 | 29.53,157.04 31.18,157.04 31.88,156.33 31.88,152.78 30.86,151.76 30.86,148.34
  Top 0.508: JP88.5 45.72,124.21 v44.45,125.48 | U25.5 v33.34,135.32
  Bottom 0.508: v44.45,125.48 35.69,134.24 35.68,134.24 34.6,135.32 v33.34,135.32